# Altium PCB ArcadeTestHAT 05.PcbDoc (part 2 of 2)
Units mm, origin at the board's own origin, x right, y up, seen from the top; angles counter-clockwise.
Board outline 95 x 80.5 mm, 2 copper layers (Top Layer, Bottom Layer), stack 1.525 mm thick; 136 components, 129 nets, 475 pads, 218 vias.
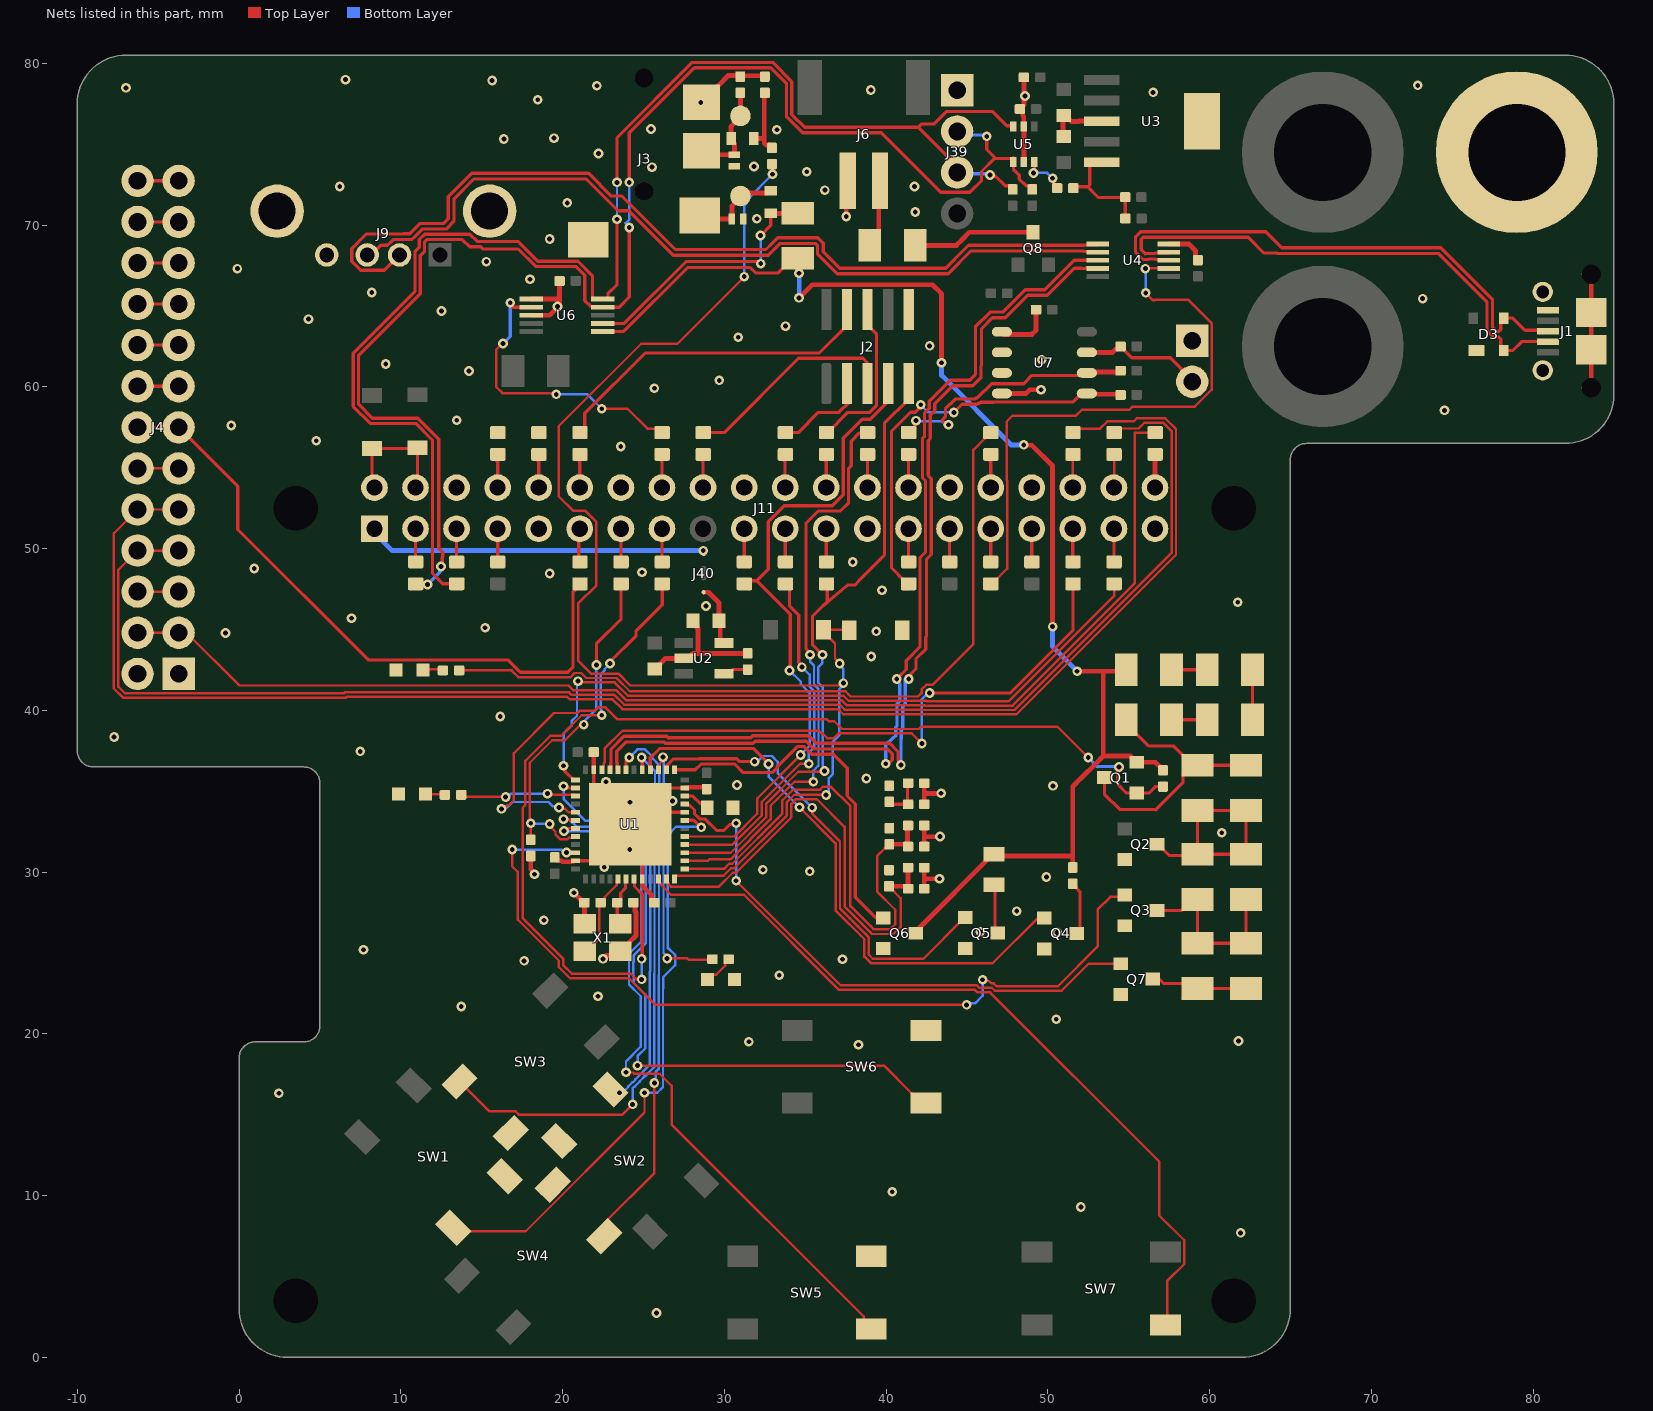
[diagram p2: the nets of this part, all layers, seen from the top]

## Via types
v1: diameter 0.6, hole 0.3, Top Layer to Bottom Layer, tented both sides, 217 vias
v2: diameter 0.6, hole 0.3, Top Layer to Bottom Layer, 1 vias

## Nets (pads, with @x,y where several pads share a name; then routed paths per layer and width w, separated by ;. In a path a pad name is that pad's centre, name@x,y a point inside that pad or via, vN(x,y) a via of type N, cw(c..) or ccw(c..) an arc to the next point about the centre after c; other vN are vias at no path point) (continued)
AR0: J20.2 U6.2 | length 18.7
  Top Layer w0.15: v1(16.325,62.675) 16.269,62.675 15.9,62.306 15.9,59.995 16.281,59.614 19.66,59.614 19.609,59.563 v1(19.609,59.538) ; v1(22.428,58.649) 24.016,58.649 25.245,57.42 25.968,57.42 J20.2@26.187,57.201
  Top Layer w0.2: v1(16.764,65.202) 16.764,65.049 16.889,64.925 U6.2@18.075,64.925
  Bottom Layer w0.15: v1(19.609,59.538) 21.539,59.538 v1(22.428,58.649)
  Bottom Layer w0.2: v1@16.3,62.65 v1(16.325,62.675) 16.764,63.114 v1(16.764,65.202)
BTN_A: SW5.1 U1.43 | length 44.9
  Top Layer w0.15: v1(20.091,32.537) 20.091,32.613 20.179,32.7 U1.43@20.805,32.7 ; v1(23.927,17.628) 23.943,17.612 24.353,17.612 24.431,17.534 26.002,17.534 26.746,16.789 26.746,14.402 38.611,2.537 38.611,1.775 SW5.1@38.862,1.524
  Bottom Layer w0.15: v1(20.091,32.537) 24.775,32.537 24.863,32.45 24.863,25.705 24.109,24.951 24.109,23.055 24.838,22.326 24.838,19.211 23.927,18.3 v1(23.927,17.628)
BTN_B: SW6.1 U1.42 | length 40.4
  Top Layer w0.15: v1(20.066,33.274) 20.103,33.237 20.768,33.237 U1.42@20.805,33.2 ; v1(24.638,18.034) 39.878,18.034 41.59,16.322 41.59,16.295 42.391,15.494 SW6.1@42.418,15.494
  Bottom Layer w0.15: v1(20.066,33.274) 20.112,33.228 20.442,33.228 20.858,32.812 24.981,32.812 25.138,32.655 25.138,25.591 24.392,24.845 24.392,24.431 24.384,24.423 24.384,23.583 24.392,23.575 24.392,23.161 25.113,22.44 25.113,19.097 24.638,18.622 v1(24.638,18.034)
BTN_DOWN: SW4.1 U1.31 | length 33.9
  Top Layer w0.15: SW4.1@22.581,7.391 22.581,8.299 25.679,11.398 v1(25.679,16.967)
  Top Layer w0.2: U1.31@23.93,36.325 23.93,36.884 v1(24.13,37.084)
  Bottom Layer w0.15: v1(24.13,37.084) 24.63,37.584 25.099,37.584 25.546,37.138 25.546,37.044 25.992,36.598 25.992,32.909 25.963,32.88 25.963,23.638 25.942,23.617 25.942,22.933 25.938,22.929 25.938,17.819 25.756,17.637 v1@25.756,17.018
BTN_LEFT: SW1.1 U1.19 | length 37.1
  Top Layer w0.15: SW1.1@13.154,7.928 13.29,7.792 17.725,7.792 25.07,15.137 v1(25.07,16.358)
  Top Layer w0.2: U1.19@27.555,33.2 28.102,33.2 28.536,32.766 v1(28.575,32.766)
  Bottom Layer w0.15: v1(25.07,16.358) 25.857,16.358 26.213,16.713 26.213,22.815 26.217,22.819 26.217,23.503 26.967,24.253 26.967,24.892 26.949,24.892 26.594,25.248 26.594,25.273 ; 26.543,25.273 26.518,25.298 26.518,32.293 27.025,32.8 28.517,32.8 v1@28.567,32.75
BTN_MENU: SW7.1 U1.10 | length 49.9
  Top Layer w0.15: U1.10@25.857,29.523 26.08,29.3 26.08,29.218 26.691,28.607 31.203,28.607 37.091,22.718 45.502,22.718 45.653,22.568 46.432,22.568 56.896,12.103 56.896,8.774 58.435,7.235 58.435,5.77 57.379,4.713 57.379,2.209 57.585,2.003 SW7.1@57.285,2.003
BTN_RIGHT: SW2.1 U1.38 | length 25
  Top Layer w0.2: v1(20.066,35.306) 20.172,35.2 U1.38@20.805,35.2
  Bottom Layer w0.15: v1(20.066,35.306) 20.066,34.515 21.417,33.164 25.018,33.164 25.413,32.769 25.413,23.866 25.388,23.841 25.388,23.579 25.392,23.575 25.392,23.161 25.388,23.157 25.388,18.077 24.498,17.187 24.498,17.157 24.35,17.01 24.321,17.01 24.062,16.751 24.062,16.721 23.698,16.358 v1(23.52,16.358)
BTN_UP: SW3.1 U1.29 | length 35
  Top Layer w0.15: SW3.1@13.629,17.055 15.48,15.205 17.106,15.205 17.299,15.011 23.706,15.011 v1(24.337,15.643)
  Top Layer w0.2: v1(24.892,37.084) 24.93,37.046 U1.29@24.93,36.325
  Bottom Layer w0.15: v1(24.337,15.643) 24.337,16.637 24.435,16.735 24.464,16.735 24.773,17.043 24.773,17.073 25.066,17.366 25.095,17.366 25.663,17.933 25.663,23.043 25.667,23.047 25.667,23.689 25.663,23.693 25.663,23.727 25.688,23.752 25.688,32.994 25.717,33.023 25.717,36.259 v1(24.892,37.084)
DUT_3V3: J4.5 J4.6 | length 2.6
  Top Layer w0.15: J4.6@-6.299,47.422 -6.217,47.34 J4.5@-3.73,47.34
DUT_BOOT0: J4.13 J4.14 J16.2 | length 39.6
  Top Layer w0.2: J4.14@-5.994,57.404 -5.898,57.5 J4.13@-3.73,57.5 -0.076,53.846 -0.076,51.181 7.986,43.119 16.625,43.119 17.394,42.35 20.334,42.35 20.642,42.658 20.642,47.312 J16.2@20.828,47.498
DUT_MP_COMMS: J4.25 J4.26 | length 3
  Top Layer w0.2: J4.26@-6.68,72.542 -6.483,72.74 J4.26@-6.27,72.74 J4.25@-3.73,72.74
DUT_RESET: J4.9 J4.10 J35.2 | length 99.2
  Top Layer w0.15: J4.10@-6.27,52.42 -7.745,50.945 -7.745,41.356 -7.174,40.785 6.609,40.785 6.659,40.835 20.291,40.835 20.444,40.682 23.098,40.682 23.699,40.081 37.028,40.081 37.353,39.756 42.139,39.756 42.149,39.747 48.053,39.747 57.93,49.624 57.93,57.385 57.265,58.05 55.505,58.05 55.33,57.875 53.689,57.875 53.234,57.42 51.96,57.42 51.816,57.276 J35.2@51.816,57.15 ; J4.10@-6.223,52.426 -6.217,52.42 J4.9@-3.73,52.42
DUT_SWCLK: J4.3 J4.4 J38.2 | length 78.6
  Top Layer w0.15: J4.4@-6.147,44.882 -6.065,44.8 J4.3@-3.73,44.8 -3.243,44.8 0.02,41.538 20.366,41.538 20.672,41.232 23.326,41.232 23.927,40.631 37.256,40.631 37.581,40.306 42.367,40.306 42.376,40.297 47.825,40.297 55.372,47.844 55.372,57.15 56.64,57.15 56.74,57.15 57.015,56.875 56.367,56.875 J38.2@56.64,57.148
DUT_SWDIO: J4.7 J4.8 J37.2 | length 92.9
  Top Layer w0.15: J4.7@-3.73,49.88 J4.8@-6.27,49.88 -7.47,48.68 -7.47,41.47 -7.06,41.06 6.495,41.06 6.545,41.11 20.405,41.11 20.558,40.957 23.212,40.957 23.813,40.356 37.142,40.356 37.467,40.031 42.253,40.031 42.262,40.022 47.939,40.022 57.655,49.738 57.655,57.271 57.151,57.775 55.964,57.775 55.614,57.425 54.352,57.425 J37.2@54.102,57.175 ; J37.2@54.102,57.404 J37.2@54.173,57.475
DUT_SWO: J4.11 J4.12 | length 2.5
  Top Layer w0.15: J4.12@-6.248,54.966 -6.243,54.96 J4.11@-3.73,54.96
DUT_USB_N: J9.2 U4.6 | length 57.2
  Top Layer w0.2: J9.2@9.924,68.156 8.974,67.206 7.53,67.206 6.974,67.762 6.974,68.55 7.88,69.456 10.173,69.456 10.18,69.463 10.549,69.463 11.192,70.106 12.654,70.106 12.934,70.386 12.934,71.759 14.375,73.2 21.61,73.2 23.016,71.794 23.677,71.794 26.978,68.493 32.582,68.493 32.969,68.88 33.306,69.217 35.782,69.217 36.119,68.88 36.119,68.351 37.132,67.339 43.691,67.339 44.876,68.524 ; 44.875,68.525 45.1,68.75 49.975,68.75 ; 49.975,68.748 52.232,68.748 52.257,68.773 53.031,68.773 U4.6@53.081,68.823
DUT_USB_P: J9.3 U4.7 | length 51.9
  Top Layer w0.2: J9.3@7.924,68.156 8.174,68.156 8.774,68.756 9.18,68.756 9.53,69.106 10.318,69.106 10.325,69.113 10.694,69.113 10.824,69.243 11.337,69.756 12.799,69.756 13.284,70.241 13.284,71.609 14.525,72.85 21.465,72.85 23.432,70.883 24.093,70.883 26.833,68.143 32.727,68.143 33.319,68.735 33.451,68.867 35.637,68.867 35.769,68.735 35.769,68.206 36.987,66.989 43.836,66.989 45.248,68.4 49.457,68.4 49.459,68.398 52.232,68.398 52.257,68.373 53.031,68.373 U4.7@53.081,68.323
DUT_VBAT: J4.23 J4.24 | length 2.9
  Top Layer w0.2: J4.24@-6.604,70.079 -6.483,70.2 J4.24@-6.27,70.2 J4.23@-3.73,70.2
DUT_VBUS: J4.21 J4.22 | length 2.6
  Top Layer w0.2: J4.22@-6.299,67.716 -6.243,67.66 J4.21@-3.73,67.66
DUT_VFUSED: J4.17 J4.18 | length 2.8
  Top Layer w0.2: J4.18@-6.528,62.611 -6.497,62.58 J4.18@-6.27,62.58 J4.17@-3.73,62.58
DUT_VMIX: J4.19 J4.20 | length 2.5
  Top Layer w0.2: J4.20@-6.248,65.126 -6.243,65.12 J4.19@-3.73,65.12
GND: C1.1 C2.1 C3.1 C4.1 C5.1 C6.1 C7.1 C8.1 C9.1 C10.1 C11.1 C12.1 C13.1 C17.1 C18.1 C19.1 C20.1 C21.1 C72.1 C73.1 C74.1 D3.1 D4.2 D5.1 D6.2 D10.2 D20.1 D21.1 J1.5 J1.6 J1.7 J1.8 J1.9 J1.10 J1.11 J2.10 J3.1 J3.4 J4.1 J4.2 J6.2 J9.4 J9.5 J9.6 J10.1 J11.6 J11.9 J11.14 J11.20 J11.25 J11.30 J11.34 J11.39 J39.1 J90.1 Q2.2 Q3.2 Q4.2 Q5.2 Q6.2 Q7.2 R3.2 R10.2 R75.2 R77.2 R79.2 SW1.2 SW2.2 SW3.2 SW4.2 SW5.2 SW6.2 U1.8 U1.20 U1.23 U1.35 U1.47 U1.49 U2.2 U3.3 U3.6 U4.5 U5.2 U5.5 U6.1 U6.3 U7.1 U7.2 U7.3 U7.4 X1.2 X1.4 | length 71.8
  Top Layer w0.2: U1.47@20.805,30.7 21.73,30.7 21.844,30.814 U1.49@21.844,30.988 ; U1.49@21.844,35.052 21.93,35.138 U1.35@21.93,36.325 ; U1.49@24.892,30.48 24.93,30.442 U1.8@24.93,29.575 ; U1.49@26.162,35.306 26.268,35.2 U1.23@27.555,35.2 ; U1.49@26.67,33.782 26.752,33.7 U1.20@27.555,33.7
  Top Layer w0.3: R3.2@18.034,30.996 18.034,30.18 18.263,29.952 v1@18.263,29.921 ; U6.3@18.075,64.425 19.213,64.425 19.812,65.024 19.812,65.532 ; U6.1@18.075,65.425 19.636,65.425 19.812,65.601 C17.1@19.812,66.548 ; C9.1@19.533,30.861 19.662,30.732 19.814,30.732 19.845,30.7 19.947,30.7 20.006,30.641 20.62,30.641 20.68,30.7 U1.47@20.805,30.7 ; v1(20.701,28.727) 20.706,28.727 21.327,28.107 C4.1@21.352,28.107 21.352,26.838 X1.4@21.311,26.797 ; U1.35@21.93,36.325 21.93,37.43 C6.1@22,37.5 ; v1(22.504,24.638) 22.504,24.663 22.68,24.839 23.322,24.839 X1.2@23.578,25.095 ; X1.2@23.597,25.197 23.78,25.197 24.128,25.545 24.128,25.656 24.553,26.081 24.553,27.508 24.478,27.583 24.478,28.012 C5.1@24.384,28.107 ; U1.8@24.93,29.575 24.93,29.16 25.499,28.592 25.499,28.257 C8.1@25.75,28.005 ; C1.1@25.788,42.6 26.006,42.817 26.006,42.856 26.365,43.215 U2.2@27.484,43.215 ; U1.23@27.555,35.2 27.768,35.2 27.817,35.25 C7.1@28.75,35.25 ; U2.2@27.575,43.2 27.744,43.2 28.069,43.525 28.375,43.525 ; C2.1@28.075,45.55 28.325,45.3 28.325,45.124 28.375,45.074 28.375,43.525 ; J3.4@28.585,77.596 28.635,77.596 29.585,78.546 29.585,78.596 30.237,79.248 C11.1@30.988,79.248 ; C11.1@30.988,79.232 32.496,79.232 C10.1@32.512,79.248 ; C13.1@31.449,43.525 28.375,43.525 ; v1(37.541,70.536) 37.541,72.206 37.694,72.358 37.643,72.409 37.643,72.559 J6.2@37.982,72.898 ; R79.2@42.363,30.278 42.363,29.591 ; R77.2@42.363,32.886 42.363,32.182 ; R75.2@42.363,35.495 42.363,34.849 ; C73.1@42.393,31.623 42.363,31.653 42.363,32.182 ; C74.1@42.418,28.931 42.363,28.986 42.363,29.591 ; C72.1@42.418,34.138 C72.1@42.363,34.19 42.363,34.849 ; v1(43.307,29.591) 42.363,29.591 ; v1(43.332,32.207) 43.307,32.182 42.363,32.182 ; v1(43.409,34.874) 43.358,34.823 43.205,34.823 43.18,34.849 42.363,34.849 ; U7.4@47.166,59.592 48.668,59.592 48.893,59.817 v1(49.581,59.817) ; U7.1@47.244,63.246 49.022,63.246 49.276,63.5 C18.1@49.276,64.77 ; C20.1@48.26,77.216 48.288,77.188 C20.1@48.3,77.176 ; C20.1@48.275,77.175 C20.1@48.3,77.175 ; U5.5@48.525,74.116 48.525,76.189 48.514,76.2 48.514,76.708 48.45,76.772 48.45,77.026 C20.1@48.3,77.176 ; R10.2@48.526,79.14 48.526,78.123 48.616,78.034 v1@48.616,77.978 ; v1(48.59,77.978) 48.539,77.927 48.539,77.44 48.45,77.35 48.45,77.325 C20.1@48.3,77.176 ; C12.1@50.952,76.708 50.952,75.519 C19.1@51,75.472 ; C12.1@50.978,76.886 50.978,76.848 51.3,76.526 51.338,76.526 51.46,76.403 51.892,76.403 51.918,76.429 U3.3@53.338,76.429 ; U4.5@57.481,68.823 58.735,68.823 59.134,68.425 59.134,67.985 C21.1@59.284,67.835 ; J1.10@83.414,64.313 83.602,64.124 J1.9@83.602,62.298 83.602,60.06 J1.8@83.617,60.046 ; J1.10@83.602,64.598 83.602,66.914 J1.11@83.693,67.005
  other v1: 25.806,2.743 61.925,7.696 52.045,9.296 40.386,10.236 2.464,16.332 38.303,19.329 31.521,19.507 61.798,19.558 50.521,20.904 13.741,21.692 22.2,22.327 33.401,23.622 17.628,24.511 37.313,24.613 7.696,25.197 50.571,26.264 45.822,26.314 18.847,27.026 48.082,27.584 49.911,29.693 18.263,29.87 35.281,30.048 32.385,30.15 22.581,30.302 24.155,31.394 60.757,32.436 24.181,34.315 26.797,34.392 50.317,35.331 30.785,35.382 22.682,35.585 38.786,35.789 7.493,37.465 -7.722,38.354 16.154,39.624 39.091,43.332 -0.838,44.78 39.395,44.882 15.215,45.11 6.96,45.695 28.875,46.45 61.747,46.685 39.751,47.422 19.202,48.463 24.917,48.539 0.94,48.768 37.948,49.174 23.597,56.312 4.775,56.667 -0.483,57.607 13.462,57.937 74.524,58.547 25.679,59.919 29.693,60.401 14.224,60.985 9.068,61.417 49.632,61.671 42.697,62.535 30.861,63.068 33.782,63.754 4.293,64.186 12.522,64.694 19.685,64.973 73.177,65.456 8.204,65.837 17.983,66.65 -0.102,67.31 15.291,67.742 19.202,69.139 32.013,70.394 41.808,70.815 20.295,71.374 36.22,72.161 6.223,72.39 41.758,72.39 35.1,73.3 25.527,73.584 31.838,73.619 22.225,74.422 16.375,75.325 19.475,75.375 33.25,75.9 25.476,75.946 28.55,77.572 18.466,77.749 56.515,78.207 39.065,78.359 -6.985,78.486 22.123,78.613 72.873,78.638 15.646,78.943 6.579,78.994
JD_COMMS: D9.2 D10.1 R4.1 U1.12 | length 81
  Top Layer w0.15: U1.12@26.93,29.7 27.005,29.775 29.949,29.775 30.413,30.239 30.605,30.239 33.871,33.505 33.871,34.332 34.325,34.786 36.284,34.786 v1(36.297,34.773) ; 30.103,41.535 24.19,41.535 23.45,42.275 21.762,42.275 20.963,43.074 20.963,46.597 22.095,47.729 22.095,51.655 21.418,52.331 20.67,52.331 19.77,53.232 19.77,57.571 24.867,62.668 27.108,62.668 31.24,66.8 v1(31.24,66.813) ; 30.103,41.537 v1@37.188,41.537 ; D9.2@36.138,44.992 36.138,44.84 36.847,44.131 36.847,43.213 v1@37.109,42.951 ; D9.2@36.25,44.992 D10.1@37.862,44.992 ; v1@37.092,42.858 v1(37.135,42.901)
  Top Layer w0.2: R4.1@32.95,73.825 32.969,73.806 32.969,73.163 v1(32.988,73.144)
  Bottom Layer w0.15: v1(31.24,66.813) 31.24,71.192 31.4,71.352 31.4,71.556 v1(32.988,73.144) ; v1(36.297,34.773) 36.449,34.925 36.449,35.793 36.695,36.039 36.695,38.05 ; 36.7,38.05 37.1,38.45 37.1,41.296 37.363,41.56 v1(37.363,41.681) 37.363,42.55 37.135,42.779 v1(37.135,42.901)
JD_COMMS_STATUS: R7.1 U1.27 | length 16.3
  Top Layer w0.15: U1.27@25.93,36.325 26.003,36.398 26.003,36.696 26.264,36.957 26.264,36.982 26.289,37.008 26.213,37.084 v1(26.213,37.109) ; v1(26.467,24.663) 27.711,24.663 27.788,24.587 R7.1@29.159,24.587
  Bottom Layer w0.15: v1(26.213,37.109) 26.267,37.055 26.267,32.431 26.243,32.407 26.243,25.009 26.467,24.785 v1(26.467,24.663)
JD_POWER: Q1.2 Q6.3 R12.1 R16.2 R17.1 R18.1 R19.1 U6.6 | length 85.6
  Top Layer w0.2: U6.6@22.475,63.425 23.775,63.425 27.727,67.377 31.598,67.377 31.932,67.043 33.345,67.043 34.327,68.025 R19.1@34.525,68.025 ; R19.1@34.544,67.942 R19.1@34.65,67.836
  Top Layer w0.3: v1(34.625,65.5) 35.44,66.315 42.875,66.315 43.434,65.756 v1(43.434,61.493) ; v1(34.625,67.025) 34.625,67.811 R19.1@34.65,67.836 ; Q6.3@42.039,26.219 Q6.3@42.05,26.23 ; Q6.3@42.05,26.525 Q6.3@42.05,26.23 ; Q6.3@42.08,26.575 Q6.3@42.1,26.595 ; Q6.3@42.1,26.6 Q6.3@42.1,26.595 ; Q6.3@42.103,26.597 46.482,30.977 R18.1@46.482,30.988 ; R18.1@46.685,31.03 46.694,31.03 46.736,30.988 51.538,30.988 51.545,30.995 ; v1@48.514,56.388 49.022,56.388 50.292,55.118 50.292,45.183 v1(50.3,45.175) ; R17.1@51.545,30.285 51.545,30.995 ; v1(51.816,42.418) 53.432,42.418 54.843,42.418 54.864,42.439 54.864,42.498 R16.2@54.854,42.508 ; 52.05,35.8 51.545,35.295 51.545,30.995 ; 52.053,35.797 53.06,36.804 53.34,37.084 ; 53.34,37.084 53.433,37.176 ; 53.433,42.417 53.433,37.176 ; Q1.2@55.67,36.79 56.654,36.79 57.127,36.317 R12.1@57.127,36.292 ; Q1.2@55.675,36.825 55.47,36.825 55.126,37.168 55.126,37.176 53.433,37.176 ; Q6.3@42.05,26.23 42.1,26.28 Q6.3@42.1,26.595
  Bottom Layer w0.3: v1(34.625,67.025) 34.637,67.012 v1@34.637,65.563 ; v1@43.434,61.468 43.434,60.706 47.727,56.413 48.463,56.413 48.489,56.388 v1(48.514,56.413) ; v1(50.3,45.175) 50.3,43.934 v1(51.816,42.418) 51.85,42.384 v1@51.85,42.35
JD_POWER2: FB2.1 R19.2 U6.7 | length 16.6
  Top Layer w0.2: U6.7@22.475,63.925 23.815,63.925 27.642,67.752 32.016,67.752 32.15,67.618 v1(32.258,67.618) ; v1(32.243,69.357) 32.875,69.988 FB2.1@32.875,70.725
  Top Layer w0.3: FB2.1@32.875,70.725 R19.2@34.725,70.725
  Bottom Layer w0.15: v1(32.243,69.357) 32.251,69.349 32.251,67.625 v1(32.258,67.618)
LCD_BL: J2.4 J17.2 | length 20.7
  Top Layer w0.2: J17.2@21.13,57.15 21.375,57.395 21.375,58.363 25.105,62.093 35.868,62.093 37.592,63.817 J2.4@37.592,64.77
LCD_DC: J2.5 J21.2 | length 12.2
  Top Layer w0.2: J21.2@28.7,57.175 29.997,57.175 34.59,61.768 38.575,61.768 38.85,61.493 J2.5@38.85,61.45
LCD_RST: J2.3 J24.2 | length 5.8
  Top Layer w0.2: J24.2@33.78,57.175 34.569,57.175 35.814,58.42 37.084,58.42 37.719,59.055 37.374,59.4 37.374,59.726 J2.3@37.592,59.944
LOAD_0R: Q6.1 U1.25 | length 22.3
  Top Layer w0.2: U1.25@26.93,36.325 28.206,36.325 28.566,36.685 30.647,36.685 31.18,36.152 32.069,36.152 ; 32.069,36.153 32.958,36.153 33.266,36.46 33.266,36.523 34.504,37.761 34.939,37.761 35.408,37.292 36.739,37.292 37.6,36.431 37.6,34.706 38.095,34.211 38.095,28.453 39.373,27.175 Q6.1@39.4,27.175
LOAD_1K: Q4.1 U1.28 | length 35.3
  Top Layer w0.15: v1(34.646,34.011) 36.881,31.775 36.881,27.635 38.664,25.852 38.664,24.772 39.066,24.371 46.602,24.371 49.389,27.157 Q4.1@49.589,27.157
  Top Layer w0.2: U1.28@25.43,36.325 25.43,37.069 25.995,37.634 31.815,37.634 32.741,36.709 v1(32.741,36.678)
  Bottom Layer w0.15: v1(32.741,36.678) 32.741,35.916 v1(34.646,34.011)
LOAD_2R_B: Q3.1 U1.46 | length 53.5
  Top Layer w0.15: v1(16.891,31.394) 16.891,30.353 17.234,30.01 17.234,27.064 19.778,24.52 19.778,24.122 20.461,23.438 24.111,23.438 25.756,21.793 v1(44.983,21.793) ; v1@20.117,31.318 v1@20.219,31.216 ; v1(20.245,31.216) v1@20.219,31.216 ; U1.46@20.805,31.2 20.235,31.2 v1@20.219,31.216 ; v1(45.974,23.343) 46.048,23.268 46.357,23.268 46.503,23.122 46.655,23.122 46.833,22.944 50.63,22.944 53.086,25.4 53.086,27.686 53.871,28.471 54.441,28.471 Q3.1@54.554,28.584
  Bottom Layer w0.15: v1(16.891,31.394) 19.944,31.394 20.123,31.216 v1(20.245,31.216) ; v1(44.983,21.793) 45.07,21.879 45.501,21.879 45.974,22.352 v1(45.974,23.343)
LOAD_2R_C: Q7.1 U1.21 | length 34.8
  Top Layer w0.15: v1(30.734,29.464) 37.205,22.993 45.616,22.993 45.767,22.843 46.181,22.843 46.186,22.847 46.541,22.847 46.723,22.665 50.859,22.665 52.529,24.335 Q7.1@54.3,24.335
  Top Layer w0.2: U1.21@27.555,34.2 27.605,34.15 27.848,34.15 28.16,33.839 28.16,33.602 28.471,33.291 28.806,33.291 29.526,32.571 29.961,32.571 30.333,32.943 30.657,32.943 v1(30.734,33.02)
  Bottom Layer w0.15: v1(30.734,29.464) v1(30.734,33.02)
LOAD_8R: Q1.1 R12.2 U1.41 | length 53
  Top Layer w0.15: v1(16.231,33.909) 16.352,33.909 16.589,34.146 16.692,34.146 16.985,34.438 16.985,34.853 16.985,37.338 19.482,39.835 20.934,39.835 21.081,39.982 22.003,39.982 22.221,40.2 22.635,40.2 23.395,39.441 36.14,39.441 36.352,39.441 36.468,39.324 36.796,39.324 37.272,38.848 42.022,38.848 42.163,38.989 50.597,38.989 v1(52.502,37.084) ; v1@19.99,33.909 20.168,33.909 20.376,33.7 U1.41@20.805,33.7
  Top Layer w0.2: v1(54.4,36.5) 54.325,36.425 54.325,35.425 54.859,34.891 Q1.1@55.504,34.891 56.266,34.891 56.675,35.3 57.119,35.3 R12.2@57.127,35.292
  Bottom Layer w0.15: v1@16.369,33.999 16.579,33.999 16.912,34.333 19.13,34.333 19.403,34.06 19.723,34.06 v1(19.784,33.999)
  Bottom Layer w0.2: v1(52.502,37.084) 53.068,36.518 ; 53.075,36.525 54.375,36.525 v1(54.4,36.5)
LOAD_100R: Q5.1 U1.26 | length 29.1
  Top Layer w0.15: v1(35.433,33.985) 35.433,33.612 37.156,31.889 37.156,27.749 38.939,25.966 38.939,24.886 39.179,24.646 42.308,24.646 44.846,27.184 Q5.1@44.884,27.184 ; Q5.1@44.896,27.184 Q5.1@44.884,27.184 ; Q5.1@44.9,27.2 Q5.1@44.884,27.184
  Top Layer w0.2: U1.26@26.43,36.325 26.48,36.375 26.48,36.619 26.861,37 28.421,37 28.432,37.01 30.782,37.01 30.962,36.83 v1(31.877,36.83)
  Bottom Layer w0.15: v1(31.877,36.83) 32.051,36.83 32.399,37.178 32.948,37.178 33.3,36.825 33.3,36.118 v1(35.433,33.985)
LPF_IN1: R78.1
LPF_IN2: R76.1
LPF_IN3: R74.1
LPF_OUT1: C74.2 R78.2 R79.1 U1.11 | length 29.5
  Top Layer w0.15: U1.11@26.43,29.575 26.43,29.45 26.58,29.3 26.58,29.218 26.697,29.1 29.663,29.1 30.527,29.964 30.719,29.964 34.146,33.391 34.146,34.218 34.438,34.511 35.72,34.511 37.44,32.791 37.44,27.868 39.132,26.175 40.45,26.175 40.75,26.475 ; R78.2@40.2,29.175 40.2,29.125 40.2,29.084 40.243,29.041 40.9,28.384 40.9,26.6 40.762,26.462 ; R78.2@40.255,29.054 R78.2@40.31,29.108
  Top Layer w0.3: R78.2@40.2,29.125 41.012,29.125 41.014,29.123 41.188,29.123 41.3,29.011 C74.2@41.3,28.956 ; R79.1@41.326,30.277 41.363,30.24 C74.2@41.363,28.973
LPF_OUT2: C73.2 R76.2 R77.1 U1.13 | length 31.3
  Top Layer w0.15: U1.13@27.555,30.2 29.985,30.2 30.299,30.514 30.491,30.514 33.596,33.619 33.596,34.446 34.235,35.085 35.902,35.085 36.089,35.273 36.609,35.273 37.795,34.087 37.795,27.901 39.221,26.475 40.278,26.475 40.575,26.772 40.575,27.675 39.446,28.804 39.446,30.988 39.929,31.471 39.978,31.471 40.228,31.721 40.284,31.777 R76.2@40.284,31.826